# Altium PCB GL3520 4 Ports(final).PcbDoc (continued)
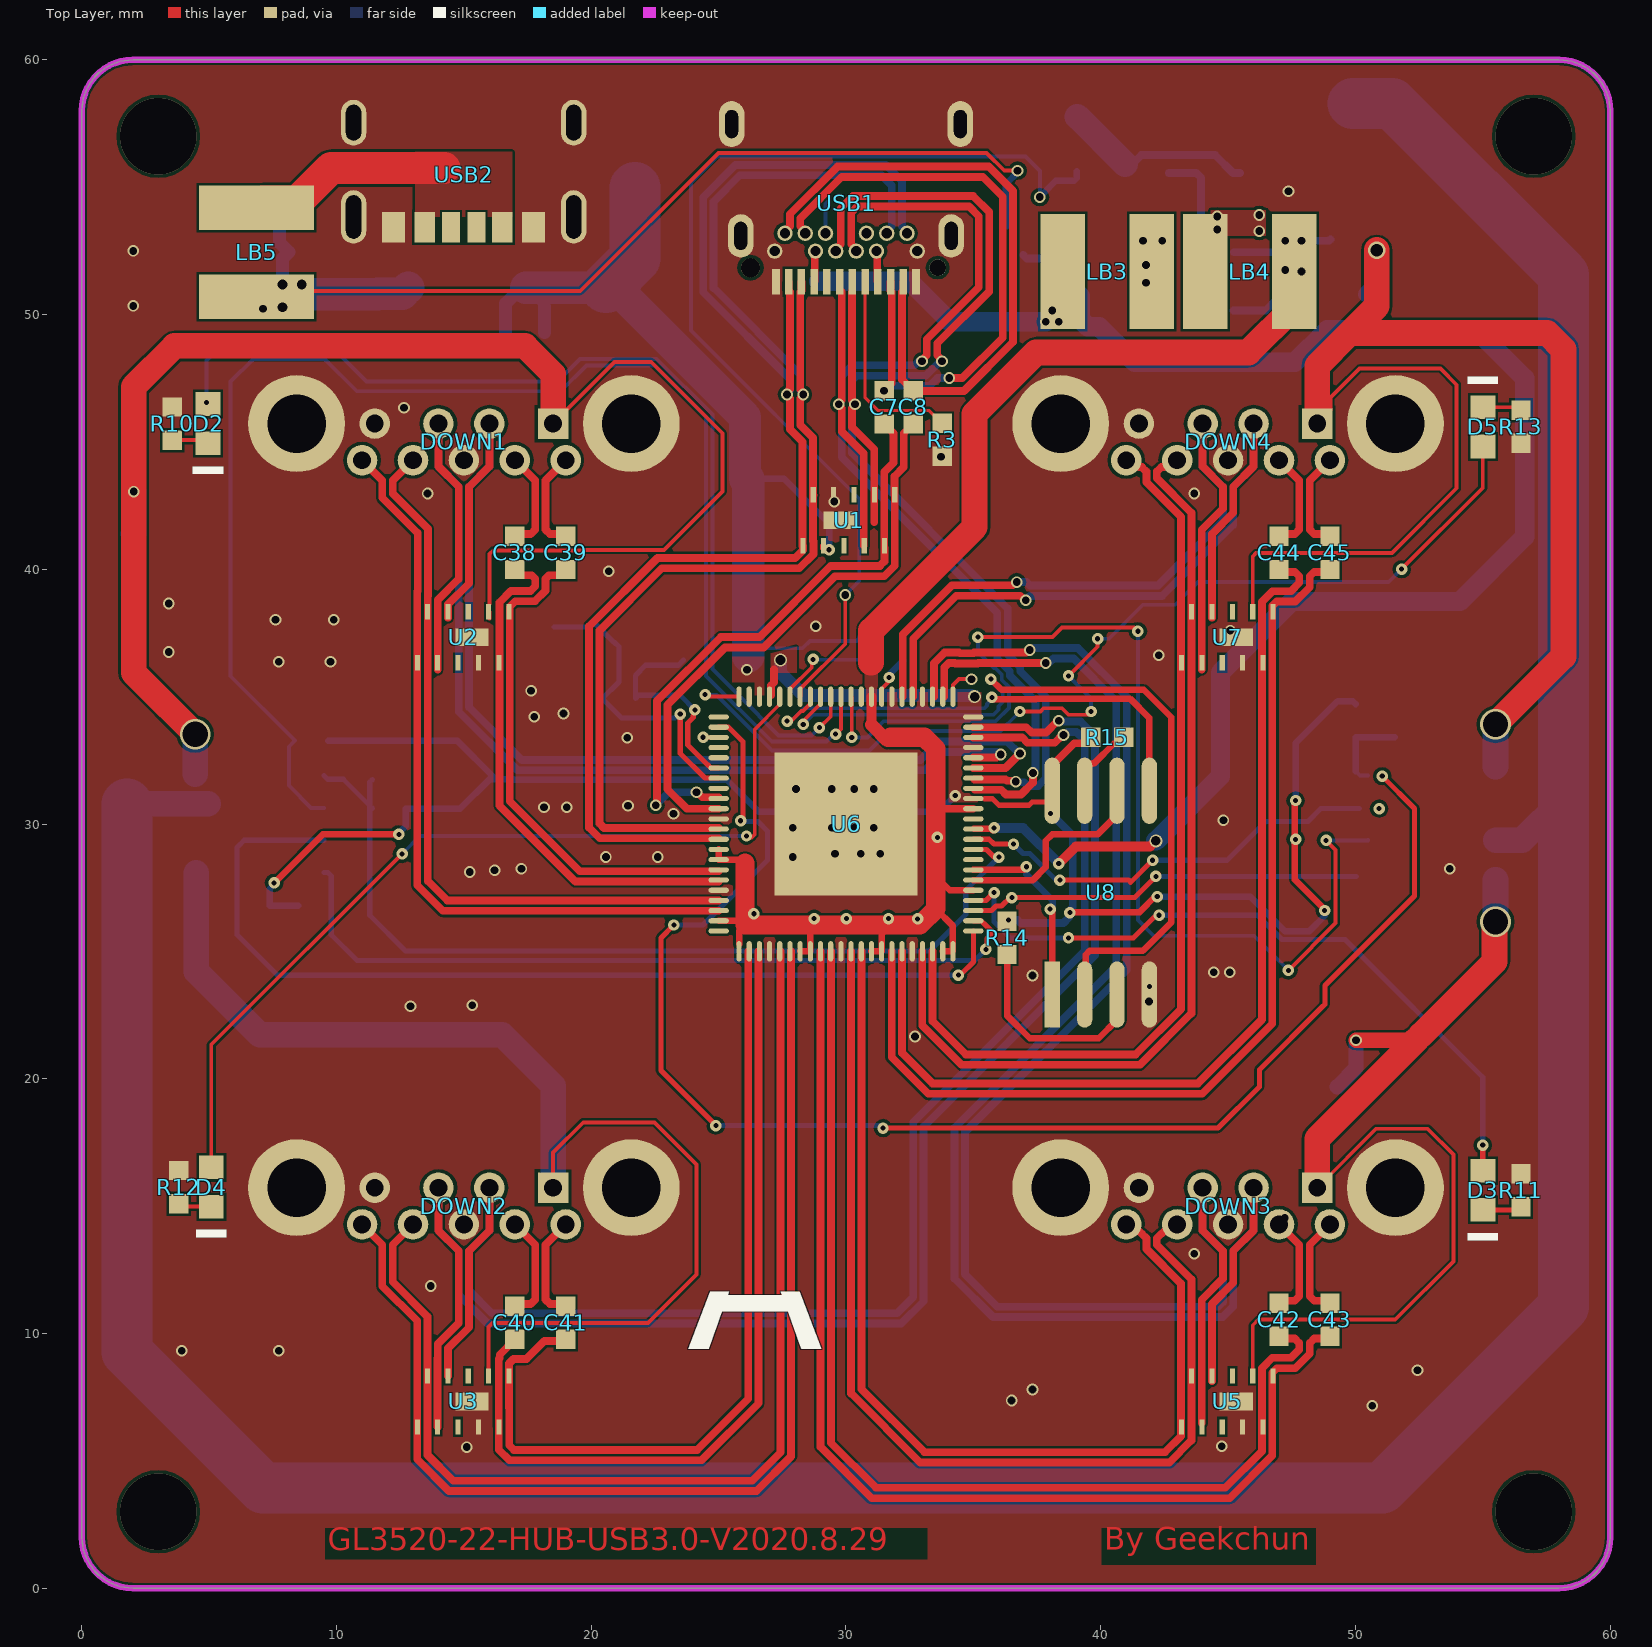
[diagram p0: Top Layer view]
## Nets (pads, with @x,y where several pads share a name; then routed paths per layer and width w, separated by ;. In a path a pad name is that pad's centre, name@x,y a point inside that pad or via, vN(x,y) a via of type N, cw(c..) or ccw(c..) an arc to the next point about the centre after c; other vN are vias at no path point)
CC1: R3.1 USB1.A5 | length 8
  Top Layer w0.127: USB1.A5 30.75,46.73 31.242,46.238 33.248,46.238 R3.1@33.767,45.72
CC2: R4.1 USB1.B5 | length 1.3
  Bottom Layer w0.152: USB1.B5 29.2,54.349 R4.1
DP1_DN: DOWN1.2 U2.4 U6.61 | length 44.8
  Top Layer w0.305: U2.4@14.376,38.1 14.376,38.626 15.203,39.453 15.203,43.24 16,44.036 DOWN1.2 ; U6.61 35,32.194 35.168,32.194 35.175,32.2 36.264,32.2 v1(36.83,32.766)
  Bottom Layer w0.305: DOWN1.2 16,44.036 15.203,43.24 15.203,34.581 17.272,32.512 32.921,32.512 33.643,33.234 36.328,33.234 36.796,32.766 v1(36.83,32.766)
DP1_DP: DOWN1.3 U2.7 U6.62 | length 45.7
  Top Layer w0.305: U2.7@13.97,36.068 13.97,38.795 14.797,39.622 14.797,43.24 14,44.036 DOWN1.3 ; U6.62@35,32.606 U6.62 35.006,32.606 35.911,32.606 36.03,32.726 v1(36.072,32.726)
  Bottom Layer w0.305: DOWN1.3 14,44.036 14.797,43.24 14.797,34.412 17.104,32.106 33.089,32.106 33.811,32.828 35.929,32.828 36.03,32.726 v1(36.072,32.726)
DP1_RXN: DOWN1.5 U2.6 U6.20 | length 29.8
  Top Layer w0.305: DOWN1.5 11.797,43.483 11.797,42.807 13.183,41.421 13.183,39.139 13.17,39.126 U2.6 13.17,27.597 14.173,26.594 U6.20@25,26.594
DP1_RXP: DOWN1.6 U2.5 U6.19 | length 29.2
  Top Layer w0.305: DOWN1.6 12.203,43.483 12.203,42.975 13.589,41.589 13.589,38.971 13.576,38.958 13.576,38.33 13.576,27.765 14.342,27 U6.19
DP1_TXN: C38.1 U2.10 U6.17 | length 20.7
  Top Layer w0.305: C38.1 17.229,39.761 17.66,39.761 17.797,39.625 17.797,39.33 17.618,39.152 16.851,39.152 16.391,38.693 16.391,36.33 16.391,30.726 19.376,27.741 U6.17@25,27.741
DP1_TXP: C39.1 U2.1 U6.16 | length 20.1
  Top Layer w0.305: C39.1 18.771,39.761 18.34,39.761 18.203,39.625 18.203,39.162 17.787,38.745 17.019,38.745 16.798,38.524 16.798,38.33 16.798,30.894 19.544,28.148 U6.16@25,28.148
DP2_DN: DOWN2.2 U3.4 U6.64 | length 59.9
  Top Layer w0.305: U3.4 14.376,8.336 14.376,9.416 15.203,10.243 15.203,13.24 16,14.036 DOWN2.2 ; U6.64 36.914,33.4 37.122,33.192 38.196,33.192 38.5,33.496 v1(38.541,33.496)
  Bottom Layer w0.305: DOWN2.2 16,14.036 15.203,13.24 15.203,11.684 16.092,10.795 32.004,10.795 32.639,11.43 32.639,18.288 39.37,25.019 39.37,33.293 39.049,33.614 38.7,33.614 38.583,33.496 v1(38.541,33.496)
DP2_DP: DOWN2.3 U3.7 U6.65 | length 64
  Top Layer w0.305: U3.7 13.964,6.336 13.964,9.011 13.97,9.017 13.97,9.585 14.797,10.412 14.797,13.24 14,14.036 DOWN2.3 ; U6.65 37.08,33.8 37.288,33.592 37.856,33.592 38.313,34.049 v1(38.354,34.049)
  Bottom Layer w0.305: DOWN2.3 14,14.036 14.797,13.24 14.797,11.516 15.924,10.389 32.172,10.389 33.045,11.262 33.045,18.12 39.776,24.851 39.776,33.461 39.218,34.02 38.383,34.02 v1(38.354,34.049)
DP2_RXN: DOWN2.5 U3.6 U6.28 | length 45.7
  Top Layer w0.305: DOWN2.5 11.797,13.483 11.797,11.859 13.164,10.492 13.164,6.33 13.164,5.058 14.411,3.81 26.483,3.81 27.838,5.166 U6.28@27.838,25
DP2_RXP: DOWN2.6 U3.5 U6.27 | length 44.4
  Top Layer w0.305: DOWN2.6 12.203,13.483 12.203,12.027 13.57,10.66 13.57,8.33 13.57,5.226 14.58,4.216 26.314,4.216 27.432,5.334 U6.27@27.432,25
DP2_TXN: C40.1 U3.10 U6.25 | length 33.6
  Top Layer w0.305: C40.1 16.402,9.166 16.402,9.036 16.364,8.998 16.364,6.336 U3.10 16.37,5.438 16.787,5.021 24.325,5.021 26.568,7.264 U6.25@26.568,25
DP2_TXP: C41.1 U3.1 U6.24 | length 33.7
  Top Layer w0.305: C41.1 18.943,9.707 18.162,9.707 17.453,8.998 16.949,8.998 16.77,8.819 U3.1 16.77,7.096 16.776,7.089 16.776,5.606 16.955,5.428 24.157,5.428 26.162,7.433 U6.24@26.162,25
DP3_DN: DOWN3.2 U5.4 U6.68 | length 59.1
  Top Layer w0.305: U6.68@33.859,35 33.859,36.143 34.037,36.322 34.272,36.322 34.294,36.3 35.175,36.3 35.197,36.322 v1(37.846,36.322) ; U5.4@44.37,8.128 44.37,11.156 45.203,11.989 45.203,13.24 46,14.036 DOWN3.2
  Bottom Layer w0.305: v1(37.846,36.322) 37.875,36.351 37.996,36.351 38.144,36.5 38.938,36.5 40.615,34.823 40.615,24.425 34.265,18.075 34.265,12.151 35.773,10.643 44.787,10.643 45.203,11.059 45.203,13.24 46,14.036 DOWN3.2
DP3_DP: DOWN3.3 U5.7 U6.69 | length 60.7
  Top Layer w0.305: U6.69@33.452,35 33.452,36.312 33.869,36.728 34.44,36.728 34.462,36.707 35.007,36.707 35.029,36.728 37.068,36.728 37.17,36.83 v1(37.211,36.83) ; U5.7@43.97,6.478 43.97,7.953 43.964,7.96 43.964,8.296 43.964,11.325 44.797,12.158 44.797,13.24 44,14.036 DOWN3.3
  Bottom Layer w0.305: v1(37.211,36.83) 37.252,36.83 37.328,36.906 39.107,36.906 41.021,34.992 41.021,24.257 34.671,17.907 34.671,12.319 35.941,11.049 44.618,11.049 44.797,11.228 44.797,13.24 44,14.036 DOWN3.3
DP3_RXN: DOWN3.5 U5.6 U6.35 | length 40.4
  Top Layer w0.305: U6.35@30.607,25 30.607,7.814 33.087,5.334 42.52,5.334 43.155,5.969 43.155,6.33 43.155,11.957 41.797,13.315 41.797,13.736 41.618,13.914 41.608,13.914 41.242,14.28 DOWN3.5
DP3_RXP: DOWN3.6 U5.5 U6.34 | length 41.7
  Top Layer w0.305: U6.34 30.201,7.645 32.918,4.928 42.688,4.928 43.561,5.801 43.561,8.33 43.561,12.125 42.203,13.483 42.203,13.736 42.382,13.914 42.392,13.914 42.758,14.28 DOWN3.6
DP3_TXN: C42.1 U5.10 U6.32 | length 43.7
  Top Layer w0.305: U6.32@29.406,25 29.406,5.712 31.182,3.937 44.891,3.937 46.33,5.375 46.33,6.33 46.33,8.631 46.741,9.042 47.471,9.042 47.797,9.368 47.797,9.621 47.618,9.799 47.092,9.799 C42.1
DP3_TXP: C43.1 U5.1 U6.31 | length 45.1
  Top Layer w0.305: U6.31 29,5.544 31.013,3.531 45.06,3.531 46.736,5.207 46.736,8.457 46.77,8.491 46.915,8.636 47.639,8.636 48.203,9.2 48.203,9.621 48.382,9.799 48.909,9.799 C43.1
DP4_DN: DOWN4.2 U6.71 U7.4 | length 29.4
  Top Layer w0.305: U6.71@32.639,35 32.639,37.271 34.331,38.964 36.841,38.964 37.016,38.789 v1(37.057,38.789) ; U7.4@44.37,38.1 U7.4 44.37,41.382 45.203,42.215 45.203,43.24 46,44.036 DOWN4.2
  Bottom Layer w0.305: v1(37.057,38.789) 37.224,38.956 42.417,38.956 45.203,41.742 45.203,43.24 46,44.036 DOWN4.2
DP4_DP: DOWN4.3 U6.72 U7.7 | length 31.4
  Top Layer w0.305: U6.72@32.233,35 32.233,37.44 34.163,39.37 36.537,39.37 36.664,39.497 v1(36.706,39.497) ; U7.7@43.97,36.068 U7.7 43.97,38.155 43.964,38.162 43.964,41.551 44.797,42.384 44.797,43.24 44,44.036 DOWN4.3
  Bottom Layer w0.305: v1(36.706,39.497) 37.089,39.497 37.224,39.362 42.249,39.362 44.797,41.91 44.797,43.24 44,44.036 DOWN4.3
DP4_RXN: DOWN4.5 U6.42 U7.6 | length 36.4
  Top Layer w0.305: U6.42 33.401,22.259 34.705,20.955 41.377,20.955 43.155,22.733 43.155,36.33 43.155,42.056 41.797,43.413 41.797,43.834 41.618,44.013 41.509,44.013 41.242,44.28 DOWN4.5
DP4_RXP: DOWN4.6 U6.41 U7.5 | length 37.8
  Top Layer w0.305: U6.41@32.995,25 32.995,22.09 34.536,20.549 41.545,20.549 43.561,22.565 43.561,38.33 43.561,42.224 42.203,43.582 42.203,43.834 42.382,44.013 42.49,44.013 42.758,44.28 DOWN4.6
DP4_TXN: C44.1 U6.39 U7.10 | length 39
  Top Layer w0.305: U6.39 32.2,21.013 33.401,19.812 43.815,19.812 46.33,22.327 46.33,36.33 46.33,38.725 46.746,39.141 47.471,39.141 47.797,39.467 47.797,39.72 47.618,39.898 47.092,39.898 C44.1
DP4_TXP: C45.1 U6.38 U7.1 | length 40.3
  Top Layer w0.305: U6.38@31.794,25 31.794,20.845 33.233,19.406 43.983,19.406 46.736,22.158 46.736,38.33 46.736,38.556 46.915,38.735 47.639,38.735 48.203,39.299 48.203,39.72 48.382,39.898 48.909,39.898 C45.1
GND: C1.2 C2.2 C3.1 C4.1 C9.1 C11.1 C12.2 C13.1 C14.2 C15.2 C17.1 C20.1 C21.1 C22.1 C23.1 C24.1 C25.2 C26.1 C27.1 C28.1 C29.1 C30.2 C31.2 C33.1 C34.2 C35.1 C36.2 C37.1 DOWN1.4 DOWN1.7 DOWN1.G1 DOWN1.G2 DOWN2.4 DOWN2.7 DOWN2.G1 DOWN2.G2 DOWN3.4 DOWN3.7 DOWN3.G1 DOWN3.G2 DOWN4.4 DOWN4.7 DOWN4.G1 DOWN4.G2 R1.2 R3.2 R4.2 R7.1 R9.2 R10.1 R11.1 R12.1 R13.1 R24.2 R25.2 R26.2 R27.2 R28.2 R29.2 U1.9 U1.11 U2.9 U2.11 U3.9 U3.11 U4.2 U5.9 U5.11 U6.11 U6.18 U6.26 U6.33 U6.40 U6.67 U6.G1 U7.9 U7.11 U8.4 U9.6 U10.6 USB1.1 USB1.2 USB1.3 USB1.4 USB1.A1 USB1.A12 USB1.B1 USB1.B12 USB2.1 USB2.2 USB2.3 USB2.4 USB2.A12 USB2.B12 | length 1.3
  Top Layer w0.152: U6.67 34.2,35.457 34.43,35.687 v1(34.925,35.687)
  other v1: 15.109,5.538 44.749,5.573 50.658,7.161 36.501,7.367 37.323,7.796 52.436,8.558 3.922,9.32 7.732,9.32 13.701,11.86 43.673,13.13 32.708,21.658 12.901,22.846 15.324,22.889 41.895,23.036 37.323,24.052 44.435,24.179 45.07,24.179 15.225,28.116 16.203,28.18 17.257,28.243 53.706,28.243 20.574,28.702 22.606,28.702 27.913,28.709 29.564,28.836 30.58,28.836 31.342,28.836 27.913,29.852 29.437,29.852 30.326,29.852 31.088,29.852 44.816,30.148 23.226,30.402 18.146,30.656 19.035,30.656 21.441,30.712 28.04,31.376 29.437,31.376 30.326,31.376 31.088,31.376 21.41,33.387 17.765,34.212 18.908,34.339 17.638,35.228 7.732,36.371 9.764,36.371 42.276,36.625 3.414,36.752 45.085,37.592 28.814,37.768 7.605,38.022 9.891,38.022 3.414,38.657 20.686,39.927 29.538,42.658 13.574,42.975 43.673,42.975 33.729,44.421 12.647,46.341 2.017,50.341 2.017,52.5 47.37,54.841
  other v2: 41.91,23.622
NetC32_1: C32.1 R8.2 R9.1 U4.5 | length 6.6
  Bottom Layer w0.305: U4.5 43.754,55.56 43.942,55.372 43.942,52.403 43.912,52.372 43.912,51.308 C32.1
NetC38_2: C38.2 DOWN1.8 | length 4
  Top Layer w0.305: C38.2 17.092,41.381 17.618,41.381 17.797,41.56 17.797,42.582 17.797,43.483 DOWN1.8
NetC39_2: C39.2 DOWN1.9 | length 4
  Top Layer w0.305: 18.203,42.75 18.203,41.56 18.382,41.381 18.909,41.381 C39.2 ; 18.203,42.75 18.203,43.483 DOWN1.9
NetC40_2: C40.2 DOWN2.8 | length 4.2
  Top Layer w0.305: C40.2 17.092,11.155 17.618,11.155 17.797,11.334 17.797,12.469 17.797,13.483 DOWN2.8
NetC41_2: C41.2 DOWN2.9 | length 4.2
  Top Layer w0.305: C41.2 18.909,11.155 18.382,11.155 18.203,11.334 18.203,12.637 18.203,13.483 DOWN2.9
NetC42_2: C42.2 DOWN3.8 | length 4.1
  Top Layer w0.305: C42.2 47.092,11.282 47.618,11.282 47.797,11.461 47.797,12.532 47.797,13.483 DOWN3.8
  other v1: 47.229,14.527
NetC43_2: C43.2 DOWN3.9 | length 4.1
  Top Layer w0.305: 48.203,12.701 48.203,11.461 48.382,11.282 48.909,11.282 C43.2 ; 48.203,12.701 48.203,13.483 DOWN3.9
NetC44_2: C44.2 DOWN4.8 | length 4
  Top Layer w0.305: C44.2 47.092,41.381 47.618,41.381 47.797,41.56 47.797,42.582 47.797,43.483 DOWN4.8
NetC45_2: C45.2 DOWN4.9 | length 4
  Top Layer w0.305: 48.203,42.75 48.203,41.56 48.382,41.381 48.909,41.381 C45.2 ; 48.203,42.75 48.203,43.483 DOWN4.9
NetD2_K: D2.K R10.2 | length 1.4
  Top Layer w0.152: R10.2 4.833,45.07 D2.K
NetD3_K: D3.K R11.2 | length 1.5
  Top Layer w0.203: D3.K 56.38,14.851 R11.2
NetD4_K: D4.K R12.2 | length 1.3
  Top Layer w0.152: R12.2 3.93,14.978 D4.K
NetD5_K: D5.K R13.2 | length 1.5
  Top Layer w0.152: D5.K 56.38,46.363 R13.2
NetF1_2: F1.2 LB3.2
  other v1: 41.782,51.245 41.783,51.943 41.655,52.896 42.417,52.896
NetLB4_1: LB4.1 U4.3
  other v1: 46.227,53.277 44.577,53.34 44.577,53.848 46.227,53.912
NetR14_2: R14.2 U8.3 | length 8.4
  Top Layer w0.254: R14.2 36.322,22.479 37.211,21.59 39.925,21.59 40.64,22.305 U8.3
NetR15_1: R15.1 U8.7 | length 2.9
  Top Layer w0.254: U8.7 39.37,32.211 39.53,32.371 39.672,32.371 39.692,32.391 39.757,32.391 40.513,33.147 40.655,33.147 R15.1
OVCUR1#: R17.2 U6.78 U9.2 | length 57.6
  Top Layer w0.152: v2(29.591,33.528) 29.8,33.737 U6.78
  Bottom Layer w0.152: U9.2 9,30.635 8.128,31.507 8.128,33.035 R17.2 5.842,35.799 5.842,47.371 6.731,48.26 9.525,48.26 10.795,46.99 18.796,46.99 19.812,48.006 22.479,48.006 24.511,45.974 24.511,35.814 27.086,33.239 29.238,33.239 29.527,33.528 v2(29.591,33.528)
OVCUR2#: R18.2 U6.45 U9.3 | length 37.9
  Top Layer w0.203: v2@34.417,24.13 34.544,24.13 35,24.586 U6.45
  Bottom Layer w0.203: U9.3 6.378,29.365 6.096,29.083 6.096,25.654 7.685,24.065 v2(34.414,24.065)
OVCUR3#: R21.2 U6.77 U10.2 | length 43.7
  Top Layer w0.152: U6.77 30.226,34.974 v2(30.226,33.401) ; v2(35.179,37.338) 38.1,37.338 38.481,37.719 41.313,37.719 v2@41.402,37.63 ; v2(47.368,24.254) 49.221,26.107 49.221,28.985 v2(48.847,29.358)
  Bottom Layer w0.152: v2(30.226,33.401) 30.838,33.401 31.473,34.036 35.872,34.036 36.394,34.558 36.394,35.377 36.115,35.656 36.115,35.864 35.864,36.115 35.809,36.115 35.179,36.746 v2(35.179,37.338) ; v2(41.459,37.567) 41.459,26.232 42.077,25.614 46.014,25.614 47.368,24.26 v2(47.368,24.254) ; v2(48.847,29.358) 50.493,29.358 U10.2
OVCUR4#: R22.2 U6.54 U10.3 | length 17
  Top Layer w0.203: U6.54 35.002,29.398 35.619,29.398 35.808,29.21 36.322,29.21 ; v2(38.396,27.798) 41.091,27.798 41.176,27.714 v2(42.037,28.575)
  Bottom Layer w0.203: v2(36.576,29.21) 36.951,28.836 37.211,28.836 38.354,27.692 38.354,27.686 38.339,27.686 38.396,27.743 v2(38.396,27.798) ; v2(42.037,28.575) 44.958,28.575 46.482,30.099 48.133,30.099 48.641,30.607 U10.3@50.165,30.607
  other v2: 50.927,30.607
PGANG: R28.1 U6.74 | length 1.8
  Top Layer w0.152: U6.74 31.4,35.3 31.693,35.593 v2(31.693,35.752)
  Bottom Layer w0.254: v2(31.693,35.752) 31.755,35.814 31.755,35.931 R28.1
PGREEN1: D2.A U6.79 | length 40.3
  Top Layer w0.152: v2(28.956,33.782) 29.4,34.226 U6.79
  Bottom Layer w0.152: v2(4.887,46.544) 4.887,48.194 5.334,48.641 9.906,48.641 11.176,47.371 18.669,47.371 19.558,48.26 22.566,48.26 24.752,46.074 24.752,36.081 25.794,35.039 27.352,33.481 28.655,33.481 v2(28.956,33.782)
PGREEN2: D4.A U6.84 | length 35.4
  Top Layer w0.152: D4.A 5.08,21.337 v2(12.57,28.827) ; v2(26.093,29.528) 26.15,29.471 26.282,29.471 26.289,29.464 26.416,29.591 26.416,33.716 27.4,34.7 U6.84
  Bottom Layer w0.152: v2@12.636,28.892 13.272,29.528 v2(26.093,29.528)
PGREEN3: D3.A U6.48 | length 28.3
  Top Layer w0.203: U6.48 35.002,27.002 35.491,27.002 35.794,27.305 v2(35.814,27.305) 35.814,27.339 v2@35.797,27.322 ; v2(38.735,25.527) 41.275,25.527 v2@42.227,26.479 ; v2@42.213,26.525 v2@42.273,26.525 ; D3.A v2(55,17.39)
  Bottom Layer w0.203: v2(35.814,27.305) 35.814,26.162 36.449,25.527 v2(38.735,25.527) ; v2(42.291,26.416) 46.16,26.416 47.112,25.463 49.593,25.463 55,20.057 v2(55,17.39)
PGREEN4: D5.A U6.88 | length 40.9
  Top Layer w0.152: v2@24.511,35.179 24.69,35 U6.88 ; v2(36.83,34.417) 37.632,34.417 37.759,34.544 38.481,34.544 38.735,34.29 v2@39.624,34.29 ; v2(38.735,35.814) 39.878,36.957 v2(39.878,37.274) ; v2(51.816,40.005) 55,43.189 D5.A
  Bottom Layer w0.152: v2(24.468,35.08) 24.486,35.062 24.922,35.062 27.091,32.893 30.925,32.893 31.687,33.655 36.068,33.655 v2@36.703,34.29 ; v2(38.735,35.814) 39.624,34.925 v2(39.624,34.417) ; v2(39.878,37.274) 40.328,37.274 41.661,38.608 42.926,38.608 43.815,39.497 51.308,39.497 v2(51.816,40.005)
PSELF: Q1.1 R2.1 U6.82 | length 41.1
  Top Layer w0.152: U6.82 28.216,35.016 28.216,35.316 29.972,37.072 v1(29.972,38.989)
  Bottom Layer w0.152: v1(29.972,38.989) 30.519,39.536 30.519,42.769 23.913,49.375 23.913,55.174 24.945,56.206 37.043,56.206 37.609,55.64 v1(37.609,54.611)
  Bottom Layer w0.254: R2.1@37.719,54.737 38.235,55.253 38.957,55.253 39.055,55.351 Q1.1
PWREN1#: R16.2 R24.1 U6.53 U9.1 | length 36.3
  Top Layer w0.203: U6.53 U6.53 35.518,28.998 35.814,28.702 v2(36.005,28.702)
  Bottom Layer w0.203: U9.1 9.648,31.757 10.265,31.757 R16.2@11.303,30.719 ; R16.2 R16.2@11.303,30.719 ; R24.1 11.303,31.638 R16.2@11.303,30.719 ; v2(36.005,28.702) 34.703,27.4 34.703,26.448 33.274,25.019 12.7,25.019 11.303,26.416 R16.2@11.303,30.719
PWREN2#: R19.2 R25.1 U6.46 U9.4 | length 30.6
  Top Layer w0.203: U6.46 35.297,26.2 35.406,26.09 35.42,26.09 35.687,25.824 35.687,25.654 35.541,25.508 35.541,25.195 35.512,25.165 v2@35.475,25.165
  Bottom Layer w0.203: U9.4 9.657,28.095 9.794,27.958 R19.2 R25.1 10.81,24.638 35.051,24.638 v2(35.494,25.081)
PWREN3#: R20.2 R26.1 U6.47 U10.1 | length 15.8
  Top Layer w0.203: U6.47 35.713,26.6 35.891,26.778 36.108,26.778 36.465,27.135 v2@36.546,27.135 ; v2(36.51,27.113) 41.337,27.113 v2@42.26,28.036
  Bottom Layer w0.203: v2(42.164,27.94) U10.1@50.038,27.94
PWREN4#: R23.2 R27.1 U6.2 U10.4 | length 61.1
  Top Layer w0.203: v2(23.241,26.035) 22.733,25.527 22.733,20.32 v2(24.892,18.161) ; U6.2 25.382,33.8 25.952,33.23 25.952,30.28 25.865,30.193 v2(25.865,30.127) ; v2(31.453,18.062) 44.605,18.062 46.228,19.685 46.228,20.35 48.689,22.812 48.801,22.923 48.801,23.655 52.324,27.178 52.324,30.607 v2(51.054,31.877)
  Bottom Layer w0.152: U10.4@50.021,32.066 50.182,31.905 U10.4
  Bottom Layer w0.203: v2(23.241,26.035) 24.384,26.035 26.924,28.575 26.924,29.718 26.543,30.099 25.893,30.099 v2(25.865,30.127) ; v2(24.892,18.161) v2@31.496,18.161
  Bottom Layer w0.254: U10.4@50.021,32.066 R23.2 R27.1
RESET: C27.2 R5.1 R7.2 U6.83 | length 4.1
  Top Layer w0.152: U6.83 27.8,35.293 28.654,36.147 28.654,36.407 v2(28.711,36.464)
  Bottom Layer w0.152: R7.2 28.844,36.449 C27.2 31.1,36.449 R5.1
RTERM: R29.1 U6.3 | length 0.6
  Top Layer w0.152: v2(24.387,33.404) 24.389,33.402 24.998,33.402 U6.3
SPI_CLK: U6.50 U8.6 | length 8.3
  Top Layer w0.254: U6.50 37.338,27.8 37.846,28.308 37.846,29.337 38.1,29.591 39.878,29.591 40.64,30.353 U8.6
SPI_CZ: U6.51 U8.1 | length 7.7
  Top Layer w0.254: U6.51 36.995,28.2 37.084,28.289 v2(37.084,28.321) ; v2(38.011,26.659) 38.1,26.57 U8.1
  Bottom Layer w0.254: v2(37.084,28.321) 37.084,28.026 38.113,26.997 38.113,26.761 v2(38.011,26.659)
SPI_DI: U6.81 U8.5 | length 19.4
  Top Layer w0.152: v2(27.686,34.036) 27.743,34.093 27.899,34.093 28.241,34.435 28.31,34.435 28.551,34.676 28.563,34.676 28.6,34.713 U6.81
  Top Layer w0.254: v2(35.725,34.972) 35.727,34.972 35.794,34.905 37.445,34.905 37.465,34.925 41.148,34.925 41.91,34.163 U8.5
  Bottom Layer w0.152: v2(27.686,34.036) 27.842,34.036 28.35,34.544 35.433,34.544 35.541,34.652 35.541,34.707 35.725,34.891 v2(35.725,34.972)
SPI_DO: U6.80 U8.2 | length 32
  Top Layer w0.152: v2(28.321,33.909) 28.321,34.046 28.951,34.676 28.963,34.676 29,34.713 U6.80
  Top Layer w0.254: v2(35.687,35.687) 36.106,35.268 41.694,35.268 42.77,34.192 42.77,26.133 41.656,25.019 39.563,25.019 39.414,24.87 39.414,23.349 U8.2
  Bottom Layer w0.152: v2(28.321,33.909) 28.702,34.29 35.785,34.29 35.981,34.486 35.981,34.622 36.153,34.794 36.153,35.149 35.687,35.615 v2(35.687,35.687)
TX+: C8.2 USB1.A2 USB1.B2 | length 25.9
  Top Layer w0.305: USB1.B2 27.6,53.27 27.797,53.467 27.797,53.938 29.67,55.811 35.602,55.811 36.56,54.853 36.56,48.927 34.633,47 32.644,47 C8.2 32.203,47.441 32.203,50.888 32.25,50.935 USB1.A2
TX-: C7.2 USB1.A3 USB1.B3 | length 25.1
  Top Layer w0.305: USB1.B3 28.4,53.27 28.203,53.467 28.203,53.769 29.839,55.405 35.371,55.405 36.154,54.622 36.154,49.096 34.566,47.508 v1(34.058,47.508) ; v1(31.496,47.005) 31.797,47.306 31.797,50.888 31.75,50.935 USB1.A3
  Bottom Layer w0.305: v1(31.496,47.005) 31.537,47.005 31.738,47.206 33.293,47.206 33.595,47.508 v1(34.058,47.508)
UP_DN: U1.4 U6.59 USB1.A7 USB1.B7 | length 48.3
  Top Layer w0.305: v1@29.832,46.326 29.832,45.412 30.701,44.544 U1.4@30.701,40.926 ; v1@29.832,46.638 USB1.A7@29.832,50.893 ; USB1.B7 30.4,52.57 30.203,52.767 30.203,54.008 30.441,54.246 34.828,54.246 35.213,53.861 35.213,51.076 33.173,49.036 33.173,48.402 32.981,48.21 v1(32.981,48.169) ; U6.59@35.052,31.344 36.093,31.344 36.28,31.157 36.872,31.157 37.338,31.623 v1(37.338,32.004)
  Bottom Layer w0.305: v1@29.832,46.326 29.832,44.396 35.941,38.287 35.941,36.433 35.996,36.433 36.433,35.996 36.433,35.83 37.44,34.823 37.44,32.147 37.338,32.045 v1(37.338,32.004) ; v1@29.832,46.638 29.832,47.589 30.249,48.006 32.695,48.006 32.858,48.169 v1(32.981,48.169)
  other v1: 29.718,46.482
UP_DP: U1.7 U6.60 USB1.A6 USB1.B6 | length 49.2
  Top Layer w0.305: USB1.B6 29.6,52.57 29.797,52.767 29.797,54.176 30.273,54.652 34.996,54.652 35.62,54.029 35.62,50.908 33.579,48.867 33.579,48.405 33.771,48.213 v1(33.771,48.172) ; v1@30.239,46.326 30.239,45.58 31.107,44.712 31.107,41.858 ; v1@30.239,46.638 USB1.A6@30.239,50.893 ; U6.60@35.05,31.75 36.262,31.75 36.318,31.694 36.632,31.694 v1(36.661,31.665)
  Bottom Layer w0.305: v1@30.239,46.326 30.239,44.564 36.347,38.456 36.347,36.656 36.839,36.164 36.839,35.999 37.846,34.992 37.846,31.794 37.548,31.496 37.128,31.496 36.988,31.636 36.69,31.636 v1(36.661,31.665) ; v1@30.239,46.638 30.239,47.421 30.417,47.6 33.13,47.6 33.702,48.172 v1(33.771,48.172)
  other v1: 30.353,46.482
UP_RXN: U1.10 U6.12 USB1.A10 USB1.B10 | length 51.4
  Top Layer w0.305: U6.12@25,29.845 20.499,29.845 20.32,30.024 20.32,37.592 22.767,40.039 28.169,40.039 28.721,40.591 28.721,41.094 28.702,41.114 28.702,42.887 28.721,42.907 28.702,42.926 28.702,45.168 28.207,45.663 28.207,46.707 28.321,46.822 v1(28.321,46.863) ; USB1.A10 28.25,50.935 28.203,50.888 28.203,50.203 28.203,47.058 v1@28.253,47.008
  Bottom Layer w0.305: v1(28.321,46.863) 28.321,46.904 28.207,47.019 28.207,47.641 24.801,51.047 24.801,54.44 25.832,55.471 31.396,55.471 31.797,55.07 31.797,53.467 31.6,53.27 USB1.B10
UP_RXP: U1.1 U6.13 USB1.A11 USB1.B11 | length 53.4
  Top Layer w0.305: U6.13@25,29.439 20.33,29.439 19.914,29.855 19.914,37.76 22.598,40.445 28.001,40.445 28.315,40.759 U1.1 28.296,40.907 28.296,44.999 27.8,45.495 27.8,46.707 27.686,46.822 v1(27.686,46.863) ; USB1.A11 27.75,50.935 27.797,50.888 27.797,50.035 ; v1@27.754,47.035 27.797,47.078 27.797,50.035
  Bottom Layer w0.305: v1(27.686,46.863) 27.686,46.904 27.8,47.019 27.8,47.473 24.395,50.878 24.395,54.608 25.663,55.877 31.565,55.877 32.203,55.238 32.203,53.467 32.4,53.27 USB1.B11
UP_TXN: C7.1 U1.5 U6.9 | length 23.8
  Top Layer w0.305: v1(22.535,30.736) 22.564,30.766 22.564,30.873 22.581,30.89 22.581,34.839 25.079,37.338 26.603,37.338 29.397,40.132 31.33,40.132 31.509,40.311 31.509,40.837 31.501,40.845 31.501,43.82 31.864,44.183 31.864,45.337 C7.1 ; v1(24.13,31.242) 24.171,31.242 24.361,31.052 U6.9@25,31.052
  Bottom Layer w0.305: v1(22.535,30.736) 23.041,31.242 v1(24.13,31.242)
UP_TXP: C8.1 U1.6 U6.10 | length 22.7
  Top Layer w0.305: U6.10 23.756,30.6 22.987,31.369 22.987,34.671 25.248,36.932 26.772,36.932 29.566,39.726 31.498,39.726 31.915,40.142 31.915,42.918 31.907,42.926 31.907,43.651 32.271,44.015 32.271,45.337 C8.1
VAUX: C2.1 C4.2 D1.1 LB5.2 R1.1 R2.2 | length 42.3
  Top Layer w0.152: LB5.2 7.087,50.93 19.568,50.93 24.988,56.35 35.512,56.35 36.213,55.649 v1(36.734,55.649)
  Bottom Layer w0.254: R1.1 36.307,54.595 R2.2 36.269,54.587 36.269,55.112 36.77,55.613 v1(36.734,55.649)
  Bottom Layer w0.508: C4.2 7.762,52.817 C2.1 7.874,52.197 v3(7.874,51.181)
  Bottom Layer w1.27: 8.636,50.8 11.604,50.8 11.618,50.814 12.573,50.814 D1.1
  other v1: 7.111,50.229
  other v3: 7.874,50.292 8.636,51.181
VAUX1: LB5.1 USB2.A9 USB2.B9 | length 8
  Top Layer w1.27: LB5.1 7.098,54.441 8.473,54.441 9.785,55.753 14.231,55.753
VCC: C14.1 C17.2 C30.1 D1.2 Q1.2 R5.2 U1.2 U4.1 U4.4 U6.86 U9.7 U10.7 | length 188.6
  Top Layer w0.254: U1.2 29.115,40.833 29.142,40.806 29.298,40.806 v2(29.337,40.767)
  Bottom Layer w0.152: 26.607,37.021 26.733,37.021 26.856,36.898 28.298,36.898 28.588,37.188 30.407,37.188 30.518,37.3 30.518,37.372 30.607,37.461 30.842,37.461 R5.2 ; Q1.2 Q1.2@40.955,55.901
  Bottom Layer w0.254: 26.162,43.561 27.559,43.561 29.337,41.783 v2(29.337,40.767)
  Bottom Layer w0.305: D1.2@17.438,51.054 D1.2@18.161,50.331 ; Q1.2 41.59,56.261 44.493,56.261 45.194,55.56 U4.1
  Bottom Layer w0.508: C14.1 16.637,48.855 16.637,50.433 D1.2@17.258,51.054 ; D1.2 D1.2@17.438,51.054 ; C17.2 D1.2@18.161,50.331
  Bottom Layer w1: 1.778,30.786 U9.7@4.953,30.786 ; 39.085,57.771 Q1.2@40.955,55.901 ; U10.7 56.543,29.365 58.166,30.988
  Bottom Layer w1.27: D1.2@17.438,51.054 20.574,51.054 ; 20.764,51.244 26.035,45.974 26.035,43.561 ; 26.162,36.576 26.162,43.561
  Bottom Layer w2: 1.778,30.786 1.778,9.271 7.112,3.937 51.054,3.937 58.166,11.049 58.166,30.988 58.166,51.562 51.435,58.293 49.902,58.293 ; 20.574,51.054 20.764,51.244 21.717,52.197 21.717,54.991
  other v1: 26.109,36.054
VD12: C9.2 C11.2 C21.2 C22.2 C23.2 C24.2 C31.1 C32.2 C33.2 LB4.2 R8.1 U6.14 U6.15 U6.21 U6.23 U6.29 U6.30 U6.36 U6.37 U6.43 U6.44 U6.49 U6.57 U6.75 | length 71.8
  Top Layer w0.254: U6.21 25.87,26.2 26.035,26.035 25.8,25.8 U6.23@25.8,25.273 ; U6.14 U6.15 25.886,28.6 26.035,28.451 ; U6.29@28.207,25 U6.30 28.6,25.784 28.851,26.035 ; U6.36 U6.37 31.4,25.685 31.75,26.035 ; 33.528,26.67 34.2,25.998 U6.44 U6.43 ; 33.528,27.94 34.068,27.4 U6.49
  Top Layer w0.305: 33.528,30.861 33.789,30.6 U6.57
  Top Layer w0.381: 31,33.897 U6.75
  Top Layer w0.508: 31,33.897 31.623,33.274
  Top Layer w0.762: 26.035,26.477 26.035,28.451 26.035,26.035 28.851,26.035 31.4,26.035 ; 30.017,26.035 31.4,26.035 ; 31.75,33.401 33.082,33.401 33.528,32.955 33.528,30.861 ; v2@33.528,29.477 33.528,30.861 ; 31.4,26.035 31.75,26.035 32.893,26.035 33.528,26.67 33.528,27.94 33.528,30.861
  Top Layer w1.016: 30.988,36.336 30.988,37.592 35.052,41.656 35.052,46.101 37.465,48.514 45.797,48.514 47.597,50.314 LB4.2
  Bottom Layer w0.305: C32.2 46.482,50.165 46.975,50.658 46.975,51.761 C31.1 47.331,52.451 R8.1 ; v1(47.878,52.896) 48.974,52.896 C33.2
  other v1: 47.879,51.689 47.243,51.753 47.243,52.896
  other v2: 32.811,26.272 28.747,26.287 30.017,26.287 31.668,26.287 26.383,26.477 33.588,29.477
VD33: C15.1 C20.2 R14.1 R15.2 R16.1 R17.1 R18.1 R19.1 R20.1 R21.1 R22.1 R23.1 U6.58 U6.63 U6.66 U6.70 U6.73 U6.85 U8.8 | length 83.1
  Top Layer w0.203: 35.433,30.988 35.75,30.988 36.005,30.734 37.179,30.734 37.313,30.868 37.917,30.868 38.1,31.051 U8.8
  Top Layer w0.254: v2(7.549,27.686) 9.454,29.591 v2(12.446,29.591) ; v2@38.818,26.543 41.529,26.543 v2@42.164,27.178 ; v2(47.649,30.922) 47.625,30.898 47.625,27.813 48.792,26.646 v2(48.792,26.604)
  Top Layer w0.305: U6.85@27.052,35.052 27.052,35.352 27.059,35.359 27.059,35.441 27.178,35.561 27.178,36.068 ; U8.8 38.1,32.305 38.967,33.173 39.38,33.173 R15.2 ; v2(38.792,26.518) v2@38.818,26.543
  Bottom Layer w0.254: v2@7.605,27.686 v2(7.549,27.686) 7.549,27.621 7.381,27.453 R18.1 R19.1 ; R17.1 14.732,33.274 16.129,31.877 16.002,31.75 ; v2(12.446,29.591) 12.446,29.652 12.715,29.921 R16.1 14.859,30.607 16.002,31.75 ; v2(34.29,31.115) 33.655,30.48 26.573,30.48 25.316,31.737 16.951,31.737 16.938,31.75 16.002,31.75 ; v2(42.221,27.153) 45.872,27.153 47.244,25.781 48.178,25.781 48.792,26.395 v2(48.792,26.604) ; v2(47.649,30.922) 47.649,33.171 49.298,34.82 49.9,34.82 R23.1
  Bottom Layer w0.305: v2(36.387,26.231) 36.39,26.228 36.739,26.228 36.855,26.112 38.541,26.112 38.765,26.335 38.765,26.49 v2(38.792,26.518) 38.82,26.545 38.82,26.65 38.901,26.731 38.901,29.548 v2(38.034,30.415)
  Bottom Layer w0.508: v3(27.432,36.441) 27.432,35.941 28.321,35.052 34.925,35.052 34.976,35.001 v3(35.052,35.001)
  other v2: 47.649,29.398
VDP1: C12.1 C13.2 DOWN1.1 U2.2 U9.8 | length 61.2
  Top Layer w0.152: U2.2@15.994,38.33 15.994,38.635 16.002,38.643 16.002,40.594 16.152,40.744 19.694,40.744 19.713,40.763 22.856,40.763 25.146,43.053 25.146,45.339 22.352,48.133 20.913,48.133 DOWN1.1 ; U2.2@16.002,38.066 U2.2@16.002,38.33
  Top Layer w1: v5(4.445,33.528) 2.413,35.56 2.032,35.941 v7(2.032,43.053) 2.032,47.166 3.634,48.768 17.399,48.768 18.5,47.667 DOWN1.1
  Bottom Layer w1: C13.2 2.032,41.417 v7(2.032,43.053) ; U9.8@4.445,31.96 v5(4.445,33.528)
VDP2: C25.1 C26.2 DOWN2.1 U3.2 U9.5 | length 47.2
  Top Layer w0.152: U3.2 15.97,10.255 16.129,10.414 22.225,10.414 24.13,12.319 24.13,16.637 22.479,18.288 19.685,18.288 18.5,17.103 DOWN2.1
  Bottom Layer w1: U9.5 4.5,24.202 6.985,21.717 16.51,21.717 18.5,19.727 DOWN2.1
VDP3: C34.1 C35.2 DOWN3.1 U5.2 U10.8 | length 41.3
  Top Layer w0.152: U5.2 45.97,10.321 46.19,10.541 51.562,10.541 53.848,12.827 53.848,17.018 52.832,18.034 50.814,18.034 DOWN3.1 ; 52.373,21.512 52.578,21.717
  Top Layer w0.6: v1(50.023,21.512) 52.373,21.512
  Top Layer w1.016: DOWN3.1 48.5,17.639 52.373,21.512 ; 52.578,21.717 55.464,24.603 55.464,26.127 v5(55.499,26.162)
  Bottom Layer w0.6: C35.2 50.023,20.417 v1(50.023,21.512)
  Bottom Layer w1.016: v5(55.499,26.162) 55.499,27.813
VDP4: C36.1 C37.2 DOWN4.1 U7.2 U10.5 | length 58.1
  Top Layer w0.152: U7.2 45.97,40.509 46.101,40.64 51.435,40.64 53.975,43.18 53.975,47.244 53.34,47.879 50.165,47.879 49.024,46.738 49.024,46.244 DOWN4.1
  Top Layer w1.016: DOWN4.1 48.5,47.992 49.784,49.276 ; v6(50.838,52.528) 50.838,50.33 49.784,49.276 ; v5(55.499,33.909) 58.166,36.576 58.166,48.641 57.531,49.276 49.784,49.276
  Bottom Layer w0.6: C37.2 50.793,51.188 ; 50.838,51.188 v6(50.838,52.528)
  Bottom Layer w1.016: 55.499,32.258 v5(55.499,33.909)
VMAIN: C1.1 C3.2 F1.1 Q1.3 U6.55 | length 59.6
  Top Layer w0.254: U6.55@35.021,29.821 v2@35.771,29.821
  Top Layer w0.381: v2@35.771,29.821 35.795,29.845 v2(35.814,29.845) ; v2(38.354,28.448) 39.024,29.118 41.945,29.118 v3(42.164,29.337)
  Bottom Layer w0.305: C3.2 37.099,52.197 38.062,52.197 38.544,51.714 F1.1
  Bottom Layer w0.381: v2(35.814,29.845) 36.957,29.845 v2(38.354,28.448)
  Bottom Layer w0.762: F1.1 38.544,51.371 39.192,50.724 39.192,49.824 39.486,49.53 C1.1 39.936,49.53 41.333,48.133 47.625,48.133 48.895,49.403 54.737,49.403 56.642,47.498 56.642,41.275 54.102,38.735 47.498,38.735 44.704,35.941 44.704,31.877 v3(42.164,29.337)
VMAIN1: LB3.1 USB1.A4 USB1.A9 USB1.B4 USB1.B9 | length 12.1
  Top Layer w0.152: USB1.A9 USB1.A9@28.775,51.305 ; USB1.B4@28.775,52.465 USB1.B4 ; USB1.B9 USB1.B9@31.225,52.465 ; USB1.A4@31.225,51.305 USB1.A4
  Top Layer w0.3: USB1.A9@28.775,51.305 USB1.B4@28.775,52.465 ; USB1.A4@31.225,51.305 USB1.B9@31.225,52.465
  Bottom Layer w0.152: USB1.B4@28.748,52.438 USB1.B4
  Bottom Layer w0.762: 28.92,51.31 32.486,51.31 34.075,49.721 v1(37.845,49.721)
  other v1: 38.353,49.721 38.1,50.165
X1: C28.2 R6.1 U6.6 Y1.1 | length 8.7
  Top Layer w0.203: v2(24.064,34.479) 24.017,34.431 24.017,34.257 24.003,34.243 24.003,34.182 23.787,33.966 23.787,33.102 24.58,32.309 24.594,32.309 24.703,32.2 U6.6
  Bottom Layer w0.203: C28.2 23.422,36.234 Y1.1 21.732,35.834 R6.1 21.859,35.052 23.49,35.052 v2(24.064,34.479)
X2: C29.2 R6.2 U6.7 Y1.3 | length 12.2
  Top Layer w0.203: v2(23.491,34.312) 23.495,34.309 23.495,32.766 24.459,31.802 24.998,31.802 U6.7
  Bottom Layer w0.203: C29.2 19.832,37.734 Y1.3 20.082,37.934 20.868,37.148 20.891,37.148 21.082,36.957 21.082,35.575 R6.2 21.194,34.163 23.275,34.163 23.425,34.312 v2(23.491,34.312)
pads on no net: U1.3 U1.8 U2.3 U2.8 U3.3 U3.8 U5.3 U5.8 U6.1 U6.4 U6.5 U6.8 U6.22 U6.52 U6.56 U6.76 U6.87 U7.3 U7.8 USB1. USB1.A8 USB1.B8 USB2.A5 USB2.B5 Y1.2 Y1.4
copper on no net:
  other v4: 3,3 57,3 3,57 57,57

## Polygon pours and split planes (outlines as drawn)
GND on Bottom Layer "Bottom Layer-GND" (solid, remove dead copper, pour order 33): -1.872,61.659 -1.992,61.539 -1.992,-2.796 64.155,-2.796 64.518,-2.433 64.518,61.901 -1.629,61.901 -1.992,61.538
VCC on Bottom Layer "Bottom Layer-VCC" (solid, remove dead copper, pour order 31): 20.4,61.199 20.273,61.008 20.273,53.843 23.012,53.843 23.043,53.812 23.043,56.964 51.448,56.964 51.671,57.187 51.671,61.008 20.609,61.008 20.522,61.095
VCC on Bottom Layer "Bottom Layer-VCC 1" (solid, remove dead copper, pour order 29): 20.468,60.781 20.447,60.76 20.447,54.576 23.042,54.576 23.063,54.555 23.063,57.949 49.936,57.949 49.871,58.014 49.871,61.084 20.533,61.084 20.511,61.106 20.511,60.651
VCC on Bottom Layer "VCC_L02_P027" (solid, remove dead copper, pour order 27): 20.732,55.204 20.732,60.352 20.636,60.448 21.105,60.917 50.14,60.917 50.14,56.878 49.627,57.391 22.714,57.391 22.714,55.2
VMAIN1 on Bottom Layer "Bottom Layer-VMAIN1" (solid, remove dead copper, pour order 23): 28.412,52.633 28.396,52.617 28.396,50.905 31.772,50.905 31.788,50.921 31.788,52.601
VMAIN1 on Bottom Layer "VMAIN1_L02_P000" (solid, remove dead copper, pour order 0): 28.448,50.038 28.448,48.768 31.623,48.768 31.623,50.038
VCC on Bottom Layer "VCC_L02_P003" (solid, remove dead copper, pour order 3): 25.527,36.576 26.797,36.576 26.797,35.56 25.527,35.56
NetLB4_1 on Bottom Layer "NETLB4_1_L02_P011" (solid, pour order 11): 44.323,54.102 44.323,53.086 46.482,53.086 46.482,54.102
VCC on Bottom Layer "VCC_L02_P010" (solid, pour order 10): 40.831,55.118 40.831,53.53 40.767,53.467 43.561,53.467 43.561,54.61 41.783,54.61 41.783,55.499 40.831,55.499
VCC on Bottom Layer "VCC_L02_P009" (solid, pour order 9): 40.132,58.293 40.132,55.118 41.529,55.118 41.529,58.293
VMAIN on Bottom Layer "VMAIN_L02_P008" (solid, remove dead copper, pour order 8): 38.608,53.975 38.608,51.816 40.386,51.816 40.386,53.975
NetF1_2 on Bottom Layer "NETF1_2_L02_P007" (solid, remove dead copper, pour order 7): 41.275,50.546 42.799,50.546 42.799,53.213 41.275,53.213
VMAIN1 on Bottom Layer "VMAIN1_L02_P006" (solid, remove dead copper, pour order 6): 37.338,50.419 37.338,49.149 38.608,49.149 38.608,50.419
VAUX on Bottom Layer "VAUX_L02_P005" (solid, pour order 5): 6.477,51.562 6.477,49.784 9.144,49.784 9.144,51.562
GND on Top Layer "GND_L01_P020" (solid, remove dead copper, pour order 20): -1.016,62.357 -1.397,61.976 -1.397,-3.302 64.135,-3.302 63.754,-2.921 63.754,62.23
VAUX1 on Top Layer "VAUX1_L01_P004" (solid, remove dead copper, pour order 4): 13.081,53.848 13.081,56.388 16.891,56.388 16.891,53.848
VD33 on Top Layer "VD33_L01_P019" (solid, pour order 19): 27.051,36.703 27.051,35.941 28.067,35.941 28.067,36.957
VCC on Top Layer "VCC_L01_P002" (solid, remove dead copper, pour order 2): 25.527,36.576 25.527,35.56 26.416,35.56 26.416,35.052 26.797,35.052 26.797,36.576
VD33 on Top Layer "VD33_L01_P018" (solid, remove dead copper, pour order 18): 31.623,35.179 31.623,33.909 34.036,33.909 34.036,30.861 35.433,30.861 35.433,31.115 34.925,31.115 35.306,31.496 35.306,35.179
VD12 on Top Layer "VD12_L01_P017" (solid, remove dead copper, pour order 17): 30.734,36.322 30.734,34.671 31.242,34.671 31.242,36.322
NetLB4_1 on Top Layer "NETLB4_1_L01_P012" (solid, pour order 12): 44.323,54.102 46.482,54.102 46.482,53.086 44.323,53.086

## Keep-outs
Keep-Out Layer:
  the board outline again, w0.254

## Other copper
Top Layer:
  text "GL3520-22-HUB-USB3.0-V2020.8.29" at 9.652,1.199 h1.52
  text "By Geekchun" at 40.132,1.206 h1.52

## Silkscreen, mask and mechanical layers (free items; w line width, h text height)
Top Overlay:
  text "A" at 23.749,3.683 h30
Bottom Overlay:
  text "https://github.com/geekchun/USB_HUB" at 46.329,40.656 h2.5
  text "きのもと さくら" at 21.374,2.015 h1.5
  text "A" at 36.83,1.778 h30
Top Solder:
  text "GL3520-22-HUB-USB3.0-V2020.8.29" at 9.652,1.199 h1.52
  text "By Geekchun" at 40.132,1.206 h1.52
Mechanical 1:
  the board outline again, w0.254